# Altium PCB V2_test.PcbDoc
Units mil, origin at the board's own origin, x right, y up, seen from the top; angles counter-clockwise.
Board outline 1380 x 845 mil, 2 copper layers (Top Layer, Bottom Layer); 58 components, 65 nets, 239 pads, 75 vias.
Unrouted connection lines stored in the file: 117.
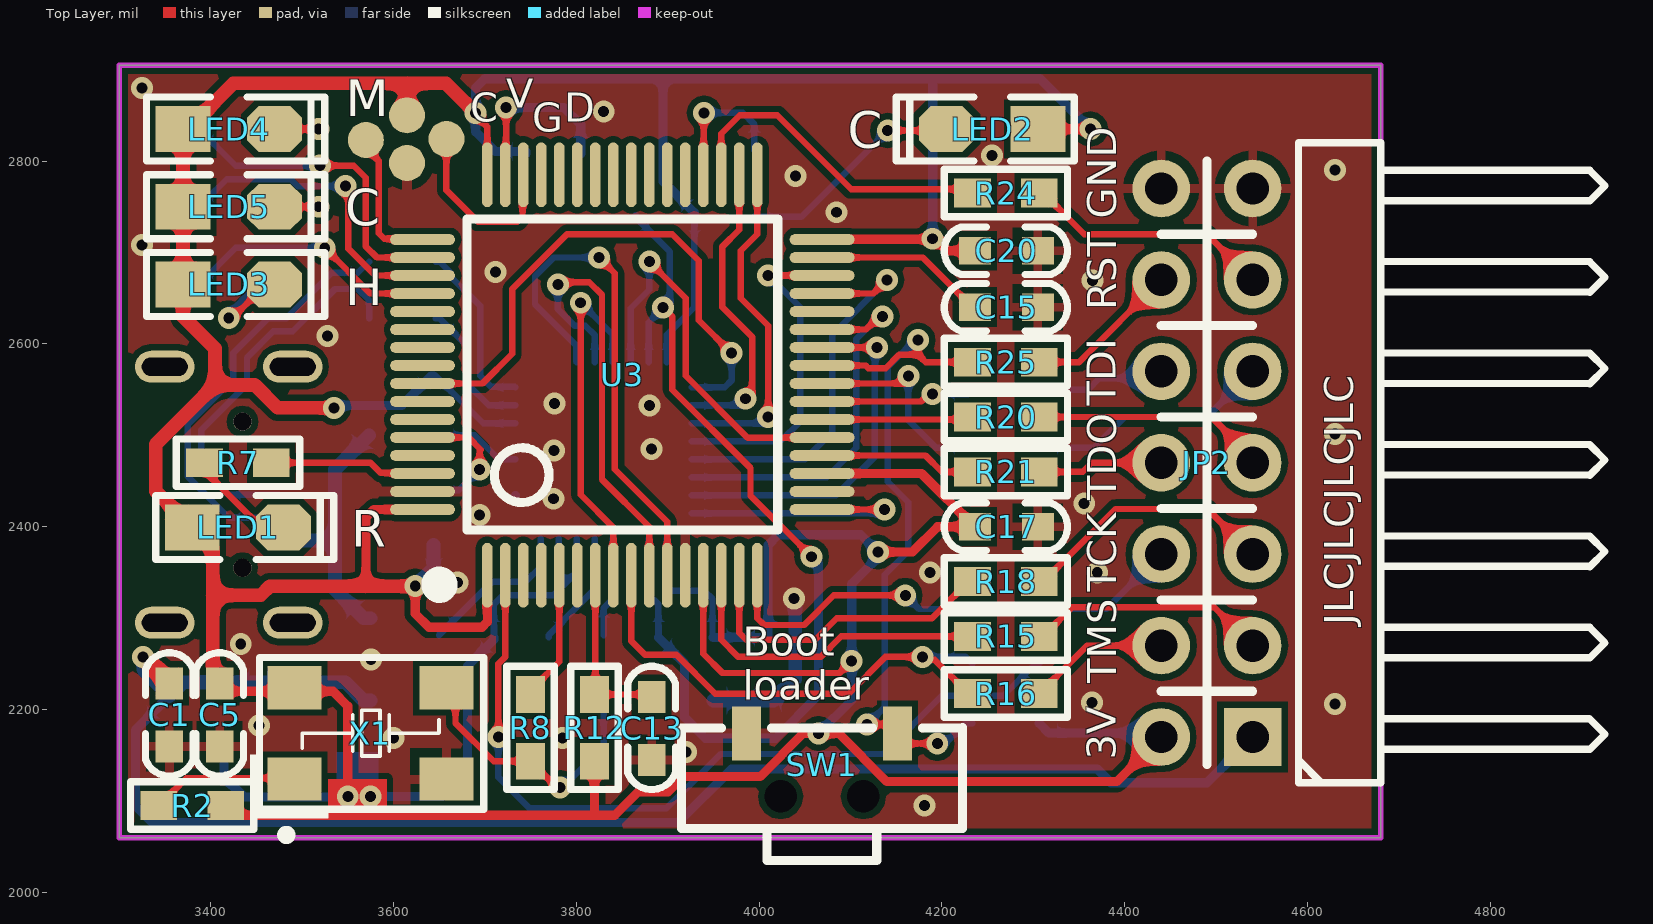
[diagram p0: Top Layer view]
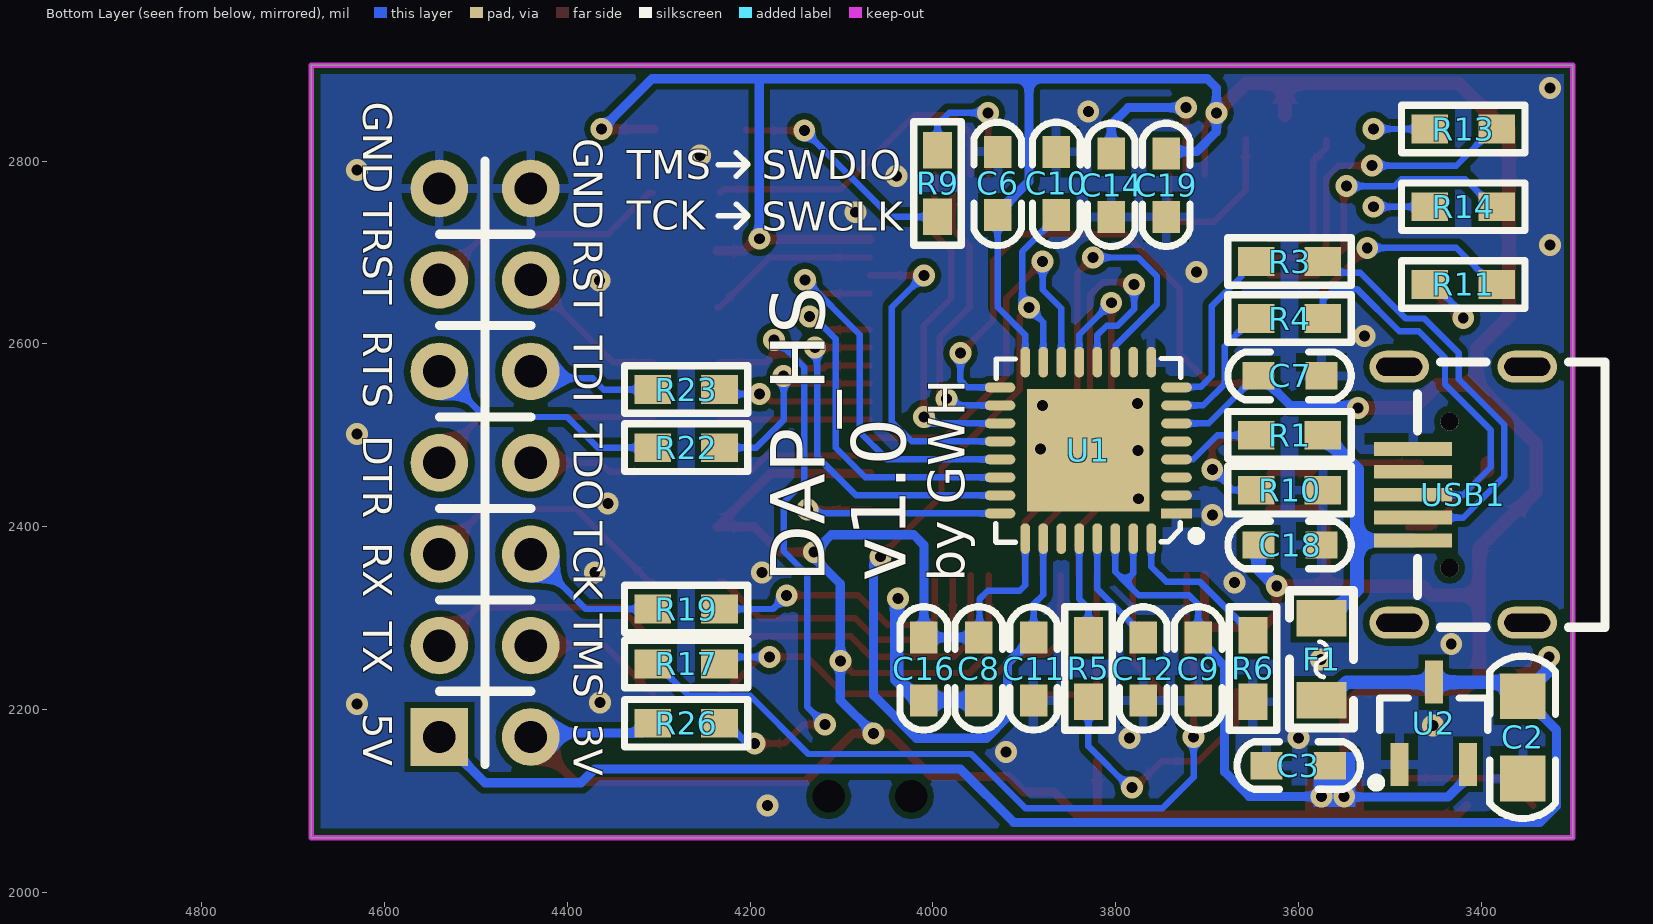
[diagram p1: Bottom Layer view, seen from below]

## Layer stack, top to bottom
Top Solder: solder mask 0.4, Solder Resist, Dk 3.5
Top Layer: signal copper 1.4
Dielectric 1: dielectric 12.6, FR-4, Dk 4.8
Bottom Layer: signal copper 1.4
Bottom Solder: solder mask 0.4, Solder Resist, Dk 3.5

## Board outline
3300,2060 4680,2060 4680,2905 3300,2905

## Design rules (kind name [scope] priority, off if disabled: settings)
Clearance [All] p1: gap=7 ignorepadtopadclearanceinfootprint=FALSE
ComponentClearance [All] p1 off: gap=10 collisioncheckmode=3 verticalgap=10 showdistances=FALSE
PolygonConnect [All] p1: thpad.connectstyle=Relief thpad.reliefconductorwidth=10 thpad.reliefentries=4 thpad.polygonreliefangle="90 Angle" thpad.airgapwidth=10 smdpad.connectstyle=Relief smdpad.reliefconductorwidth=10 smdpad.reliefentries=4 smdpad.polygonreliefangle="90 Angle" smdpad.airgapwidth=10 via.connectstyle=Direct via.reliefconductorwidth=10 via.reliefentries=4 via.polygonreliefangle="90 Angle" via.airgapwidth=10
RoutingVias [All] p1: holewidth=12 width=24 viastyle="Through Hole" minholewidth=12 minwidth=24 maxholewidth=12 maxwidth=24
SilkToSilkClearance [All] p1 off: silktosilkclearance=10
SilkToSolderMaskClearance [IsPad] p1 off: minsilkscreentomaskgap=10 clearancetoexposedcopper=TRUE
SolderMaskExpansion [All] p1: expansion=4
Width [All] p1: maxlimit=20 minlimit=7 preferedwidth=10
27 further rules are at their usual default settings.

## Components (designator, comment, footprint, x,y, rotation, side; value= is the part's Value field where it differs from the comment)
C1 "104" "C 0603" 3355,2194.78 r90 top
C2 "104" "C 0805" 3355,2169.68 r90 bottom
C3 "104" "C 0603" 3600,2138.75 r180 bottom
C5 "104" "C 0603" 3410,2194.78 r90 top
C6 "104" "C 0603" 3929.29,2775 r270 bottom
C7 "104" "C 0603" 3610,2565 r0 bottom
C8 "104" "C 0603" 3950,2245 r90 bottom
C9 "104" "C 0603" 3710,2245 r90 bottom
C10 "104" "C 0603" 3865,2775 r270 bottom
C11 "4.7uF" "C 0603" 3890,2245 r90 bottom
C12 "4.7uF" "C 0603" 3770,2245 r90 bottom
C13 "104" "C 0603" 3882.5,2180 r90 top
C14 "2.2uF" "C 0603" 3805,2774 r90 bottom
C15 "2.2uF" "C 0603" 4270,2640 r180 top
C16 "104" "C 0603" 4010,2245 r90 bottom
C17 "104" "C 0603" 4270,2400 r180 top
C18 "104" "C 0603" 3610,2380 r0 bottom
C19 "104" "C 0603" 3745,2774 r90 bottom
C20 "104" "C 0603" 4270,2701.89 r180 top
F1 "6V0.5A" "FU 0805" 3575,2255 r270 bottom
JP2 "Header 2X7" HDR-7X2_H 4540,2170 r90 top
LED1 "RED" "LED 0805B" 3430,2399.17 r0 top
LED2 "RED" "LED 0805B" 4255,2835 r180 top
LED3 "RED" "LED 0805B" 3420,2665 r0 top
LED4 "RED" "LED 0805B" 3420,2835 r0 top
LED5 "RED" "LED 0805B" 3420,2750 r0 top
R1 "820R" "R 0603" 3610,2500 r180 bottom
R2 "4.7K" "R 0603" 3380,2095 r180 top
R3 "22R" "R 0603" 3610,2690 r180 bottom
R4 "22R" "R 0603" 3610,2627.72 r180 bottom
R5 "33R" "R 0603" 3830,2245 r90 bottom
R6 "12K" "R 0603" 3650,2245 r90 bottom
R7 "510R" "R 0603" 3430,2470 r180 top
R8 "33R" "R 0603" 3750,2180 r90 top
R9 "510R" "R 0603" 3995,2775.5 r270 bottom
R10 "0R" "R 0603" 3610,2440 r0 bottom
R11 "510R" "R 0603" 3420,2665 r0 bottom
R12 "10K" "R 0603" 3820,2180 r90 top
R13 "510R" "R 0603" 3420,2835 r0 bottom
R14 "510R" "R 0603" 3420,2750 r0 bottom
R15 "100R" "R 0603" 4270,2280 r0 top
R16 "100R" "R 0603" 4270,2217.44 r180 top
R17 "100R" "R 0603" 4270,2250 r0 bottom
R18 "100R" "R 0603" 4270,2340 r0 top
R19 "100R" "R 0603" 4270,2310 r180 bottom
R20 "100R" "R 0603" 4270,2520 r0 top
R21 "100R" "R 0603" 4270,2460 r180 top
R22 "100R" "R 0603" 4270,2486.48 r0 bottom
R23 "100R" "R 0603" 4270,2550 r180 bottom
R24 "100R" "R 0603" 4270,2765 r0 top
R25 "100R" "R 0603" 4270,2580 r180 top
R26 "10K" "R 0603" 4270,2185 r0 bottom
SW1 "3x6x5" "TSW 3*6*4.3-S-W" 4068.86,2105 r0 top
U1 "USB3300" "QFN32 5x5_N" 3830.16,2483.5 r90 bottom
U2 "XC6206P182MR" SOT23-3N 3452.25,2185 r180 bottom
U3 "STM32F205RG" "LQFP64 10X10_N" 3850.47,2566.5 r0 top
USB1 "USB-5P" "micro usb" 3350,2295 r90 bottom
X1 "24MHz" XTAL-5032 3575,2173.9 r0 top

## Footprints (in the part's own frame and the unit in brackets; to place one, negate y for a bottom-side part, rotate by r counter-clockwise, add the part's x,y. Pads: shape width x height; smd on the part's side, far side on the other; paste and mask are expansions set on the pad)
"C 0603" [mil] "无极性贴片电容"
  rect 35x30 smd: 1(-35,0) 2(34,0)
  silkscreen extent -67,-26 67,26, body extent -31,-16 31,16, height 32
"C 0805" [mil] "无极性贴片电容"
  rect 50x50 smd: 1(-45,0) 2(45,0)
  silkscreen extent -89,-36 89,36, body extent -39,-24 39,24, height 20
"FU 0805" [mil] "贴片保险丝"
  rect 40x55 smd: 1(-45,0) 2(45,0)
  silkscreen extent -75,-35 75,35, body extent -39,-24 39,24, height 20
HDR-7X2_H [mm] "双排弯脚排针，7x2脚"
  rect 1.6x1.6 hole 0.9: 1(0,0)
  round 1.6 hole 0.9: 2(0,2.54) 3(2.54,0) 4(2.54,2.54) 5(5.08,0) 6(5.08,2.54) 7(7.62,0) 8(7.62,2.54) 9(10.16,0) 10(10.16,2.54) 11(12.7,0) 12(12.7,2.54) 13(15.24,0) 14(15.24,2.54)
  silkscreen extent -1.27,-9.79 16.51,2.54, body extent -1.27,-9.96 16.51,2.89, height 5.1
"LED 0805B" [mil] "蓝色0805LED"
  rect 60x50 smd: 1(-50,0)
  oct 60x50 smd: 2(50,0)
  silkscreen extent -90,-35 105,35, body extent -39,-25 39,25, height 32
"LQFP64 10X10_N" [mm] "64脚，体宽10x10mm，脚距0.5mm"
  oval 0.3x1.8 smd: 1(-3.75,-5.575) 2(-3.25,-5.575) 3(-2.75,-5.575) 4(-2.25,-5.575) 5(-1.75,-5.575) 6(-1.25,-5.575) 7(-0.75,-5.575) 8(-0.25,-5.575) 9(0.25,-5.575) 10(0.75,-5.575) 11(1.25,-5.575) 12(1.75,-5.575) 13(2.25,-5.575) 14(2.75,-5.575) 15(3.25,-5.575) 16(3.75,-5.575) 33(3.75,5.55) 34(3.25,5.55) 35(2.75,5.55) 36(2.25,5.55) 37(1.75,5.55) 38(1.25,5.55) 39(0.75,5.55) 40(0.25,5.55) 41(-0.25,5.55) 42(-0.75,5.55) 43(-1.25,5.55) 44(-1.75,5.55) 45(-2.25,5.55) 46(-2.75,5.55) 47(-3.25,5.55) 48(-3.75,5.55)
  oval 1.8x0.3 smd: 17(5.55,-3.75) 18(5.55,-3.25) 19(5.55,-2.75) 20(5.55,-2.25) 21(5.55,-1.75) 22(5.55,-1.25) 23(5.55,-0.75) 24(5.55,-0.25) 25(5.55,0.25) 26(5.55,0.75) 27(5.55,1.25) 28(5.55,1.75) 29(5.55,2.25) 30(5.55,2.75) 31(5.55,3.25) 32(5.55,3.75) 49(-5.55,3.75) 50(-5.55,3.25) 51(-5.55,2.75) 52(-5.55,2.25) 53(-5.55,1.75) 54(-5.55,1.25) 55(-5.55,0.75) 56(-5.55,0.25) 57(-5.55,-0.25) 58(-5.55,-0.75) 59(-5.55,-1.25) 60(-5.55,-1.75) 61(-5.55,-2.25) 62(-5.55,-2.75) 63(-5.55,-3.25) 64(-5.55,-3.75)
  silkscreen extent -5.33,-6.09 4.32,4.32, body extent -6,-6 6,6, height 1.45
"micro usb" [mil]
  rect 15x85 smd: 1(90,125) 2(115,125) 3(140,125) 4(165,125) 5(190,125)
  oval 35x65 hole 20 slot 50 at 90 deg: ""(0,0) ""(0,140) ""(280,0) ""(280,140)
  round 20 hole 20: ""(60,85) ""(220,85)
  silkscreen extent -5,-85 285,120, body extent -16,-110 296,117, height 107
"QFN32 5x5_N" [mm] "32脚，长：5mm，宽：5mm，高：9.5mm"
  rect 0.275x0.85 smd: 1(-1.751,-2.451)
  oval 0.275x0.85 smd: 2(-1.25,-2.451) 3(-0.75,-2.451) 4(-0.25,-2.451) 5(0.25,-2.451) 6(0.75,-2.451) 7(1.25,-2.451) 8(1.75,-2.451) 17(1.75,2.451) 18(1.25,2.451) 19(0.75,2.451) 20(0.25,2.451) 21(-0.25,2.451) 22(-0.75,2.451) 23(-1.25,2.451) 24(-1.75,2.451)
  oval 0.85x0.275 smd: 9(2.451,-1.75) 10(2.451,-1.25) 11(2.451,-0.75) 12(2.451,-0.25) 13(2.451,0.25) 14(2.451,0.75) 15(2.451,1.25) 16(2.451,1.75) 25(-2.451,1.75) 26(-2.451,1.25) 27(-2.451,0.75) 28(-2.451,0.25) 29(-2.451,-0.25) 30(-2.451,-0.75) 31(-2.451,-1.25) 32(-2.451,-1.75)
  rect 3.4x3.4 smd: 33(0,0)
  silkscreen extent -2.55,-3.12 2.55,2.57, body extent -2.5,-2.5 2.5,2.5, height 0.93
"R 0603" [mil] "1/10W贴片电阻"
  rect 40x31.5 smd: 1(-36.5,0) 2(36.5,0)
  silkscreen extent -68,-26 68,26, body extent -31,-16 31,16, height 16
SOT23-3N [mm] "3x1.3x1mm(长宽高)"
  rect 0.5x1.2 smd: 1(-0.95,-1.143) 2(0.95,-1.143) 3(0,1.143)
  silkscreen extent -1.73,-1.78 1.5,0.7, body extent -1.5,-1.2 1.5,1.2, height 1.05
"TSW 3*6*4.3-S-W" [mm] "侧立贴片3*6*4.3"
  round 0 hole 0.9: 0(-1.15,0) 0(1.15,0)
  rect 0.8x1.5 smd: 1(2.1,1.75) 2(-2.1,1.75)
  silkscreen extent -3.9,-1.78 3.9,1.91, body extent -3.9,-1.79 3.9,1.91, height 3.51
XTAL-5032 [mm]
  rect 1.5x1.2 smd: 1(-2.108,-1.27) 2(2.108,-1.27) 3(2.108,1.27) 4(-2.108,1.27)
  silkscreen extent -3.35,-2.95 3.15,2.11, body extent -2.5,-1.6 2.5,1.6, height 1

## Part data
C1 C2 C3 C5 C6 C7 C8 C9 C10 C11 C12 C13 C14 C15 C16 C17 C18 C19 C20: library part C, "无极性贴片电容", BOM名称=无极性, 学习资源=www.ooocke.
F1: library part FU, "贴片保险丝", BOM名称=贴片, 学习资源=www.ooocke.
JP2: library part "Header 7X2", "7*2P接插件", BOM名称=7*2P接, 学习资源=www.ooocke.
LED1 LED2 LED3 LED4 LED5: library part LED-SMD, "贴片LED", BOM名称=贴片, 学习资源=www.ooocke.
R1 R2 R3 R4 R5 R6 R7 R8 R9 R10 R11 R12 R13 R14 R15 R16 R17 R18 R19 R20 R21 R22 R23 R24 R25 R26: library part R, "贴片电阻", BOM名称=ÌùÆ, 学习资源=www.ooocke.
SW1: library part "TSW 3x6", "3x6轻触开关", BOM名称=3x6Çá´, 学习资源=www.ooocke.
U1: "USB PHY"
U2: "三端稳压芯片"
U3: "32位STM单片机", BOM名称=32Î»STMµ, 学习资源=www.ooocke.
USB1: "微型USB母座", BOM名称=微型US, 学习资源=www.ooocke.
X1: library part XTAL-4, "4脚晶振", BOM名称=4脚, 学习资源=www.ooocke.

## Free pads (board coordinates)
  round 39.37 smd: 2(3570,2823) 2(3615,2797.83) 2(3615,2850) 2(3658.11,2824.11)

## Via types
v1: diameter 24, hole 12, Top Layer to Bottom Layer, tented both sides, 75 vias

## Nets (pads, with @x,y where several pads share a name; then routed paths per layer and width w, separated by ;. In a path a pad name is that pad's centre, name@x,y a point inside that pad or via, vN(x,y) a via of type N, cw(c..) or ccw(c..) an arc to the next point about the centre after c; other vN are vias at no path point)
3V3: C3.2 C5.2 C6.2 C7.2 C8.2 C9.2 C16.2 C17.2 C18.2 C19.2 C20.2 JP2.2 LED1.1 LED2.1 LED3.1 LED4.1 LED5.1 pad.2@3615,2850 R2.1 R12.1 R26.2 U1.6 U1.16 U1.25 U1.30 U1.31 U2.2 U3.1 U3.13 U3.19 U3.32 U3.48 U3.64 X1.4 | length 7194.8
  Top Layer w7: v1(3690,2852.7) 3690,2850.4 3702.83,2837.57 U3.48 ; U3.13 3939.06,2260.94 3960,2240 4088.13,2240 v1(4101.4,2253.28)
  Top Layer w10: C5.2 3418.78,2220 3534,2220 3550.19,2203.81 v1(3550.19,2105) 3550.75,2104.44 3550.75,2084.38 ; R2.1 3427.12,2084.38 3550.75,2084.38 ; 3570,2335 3570,2410 3578.86,2418.86 U3.64 ; v1(3624,2335) 3624,2305 3639,2290 3696.98,2290 3702.83,2295.86 U3.1 ; R12.1 3820,2084.38 ; U3.19 4177.77,2458.23 C17.2 4195.4,2400 4167.73,2372.33 v1(4130,2372.33) ; U3.32 4069.32,2714.48 4189.48,2714.48 v1(4190,2715) 4193.79,2715 4206.9,2701.89 C20.2 ; LED2.1 v1(4362.43,2835) ; JP2.2 4391.25,2121.25 4139.91,2121.25 4087.26,2173.9 v1(4065,2173.9) 4048.43,2173.9 4001.16,2126.63 3917.25,2126.63 3900.62,2110 3867.87,2110 3842.25,2084.38 3820,2084.38 ; 3550.75,2084.38 3820,2084.38
  Top Layer w15: C5.2 3402.5,2236.28 3402.5,2325 ; v1(3535,2530) 3473.58,2530 3448.58,2555 3405,2555 ; pad.2@3615,2850 3615,2885 ; v1(3624,2335) 3570,2335 3465,2335 3455,2325 3402.5,2325 ; v1(3690,2852.7) 3657.7,2885 3615,2885 ; 3402.5,2325 3402.5,2376.67 LED1.1 3340,2439.17 3340,2490 3405,2555 ; 3405,2555 3405,2595 3370,2630 LED3.1 LED5.1 LED4.1 3375,2835 3425,2885 3615,2885
  Bottom Layer w7: C7.2 3646.5,2565 3698.47,2513.03 U1.6 ; C9.2 3710,2315 3720,2325 3775,2325 3790,2340 ; U1.31 3780.93,2349.07 3790,2340 ; U1.30 3800.62,2350.62 3790,2340 ; U1.25 3899.07,2335.93 3905,2330 3940,2330 3949.1,2320.9 3949.1,2279.9 C8.2 ; U1.16 3899.07,2609.78 3929.29,2640 C6.2
  Bottom Layer w10: U2.2 3414.85,2126.22 3436.69,2104.38 3549.57,2104.38 v1(3550.19,2105) ; v1@3540.76,2532.72 3609.22,2532.72 3641.5,2565 C7.2 ; C3.2 3553.5,2126.25 3553.5,2112.1 3550.19,2108.79 v1(3550.19,2105) ; C9.2 3710,2276.5 3681,2247.5 3681,2131.78 3654.22,2105 v1(3550.19,2105) ; C19.2 3745,2810.5 3711.5,2810.5 3690,2832 v1(3690,2852.7) 3690,2880 3700,2890 3895,2890 ; C6.2 3929.29,2743.5 3895,2777.79 3895,2890 ; C8.2 C16.2 4010,2380 4021.17,2391.17 4111.16,2391.17 v1(4130,2372.33) 4130,2370.24 4132,2368.24 4101.4,2337.64 v1(4101.4,2253.28) 4101.4,2210.3 v1(4065,2173.9) ; v1(4190,2715) 4190,2888.37 ; R26.2 4317.25,2174.25 4435.75,2174.25 JP2.2 ; v1(4362.43,2835) 4307.43,2890 3895,2890
  Bottom Layer w15: v1(3624,2335) 3644,2355 C18.2
  other v1: 3575,2105
5V: C1.2 C2.2 F1.2 JP2.1 U2.3 | length 1745.9
  Top Layer w20: v1(3326.26,2257.52) C1.2
  Bottom Layer w10: C2.2 3318,2177.68 3318,2094.71 3336.07,2076.64 3911.64,2076.64 3970,2135 4370,2135 4385,2120 4490,2120 JP2.1
  Bottom Layer w15: v1@3327.02,2256.75 3327.02,2242.66 C2.2 3370.32,2230 U2.3 3547.5,2230 3567.5,2210 F1.2
  Bottom Layer w20: v1(3326.26,2257.52) v1@3327.02,2256.75
5V_USB: F1.1 R1.2 USB1.1 | length 297.1
  Bottom Layer w15: USB1.1 3536.28,2385 ; R1.2 3536.28,2462.78 3536.28,2385 ; F1.1 3567.5,2300 3536.28,2331.22 3536.28,2385
CDC: R14.1 U3.51 | length 342.6
  Top Layer w7: v1(3547.5,2772.5) 3550.75,2769.25 3550.75,2704.25 3580.24,2674.76 U3.51
  Bottom Layer w7: R14.1 3387.75,2750 3417.75,2780 3487.79,2780 3495.29,2772.5 v1(3547.5,2772.5)
CLK_24M: R5.1 R8.1 X1.3 | length 293.3
  Top Layer w7: X1.3@3668,2220 3668,2185.18 3709.68,2143.5 R8.1 3778.86,2114.64 v1(3782.5,2114.64)
  Bottom Layer w7: v1(3782.5,2114.64) 3784.64,2114.64 3830,2160 R5.1
CONNECT: R9.1 U3.36 | length 156.4
  Top Layer w7: U3.36 3939.53,2785.47 3939.53,2852.23 v1(3940,2852.7)
  Bottom Layer w7: v1(3940,2852.7) 3982.3,2852.7 3995,2840 R9.1
DAPLINK_DTR: R20.1 U3.22 | length 165.6
  Top Layer w7: U3.22 4230.78,2517.28 R20.1
DAPLINK_RTS: R22.1 U3.24 | length 228.8
  Top Layer w7: U3.24 4154.96,2556.65 v1(4163.31,2565)
  Bottom Layer w7: v1(4163.31,2565) 4163.31,2516.69 4193.52,2486.48 R22.1
DAPLINK_RX: R18.1 U3.15 | length 347.4
  Top Layer w7: U3.15 3978.43,2284.07 3986,2276.5 4061.5,2276.5 4085,2300 4189.25,2300 4229.25,2340 R18.1
DAPLINK_TX: R15.1 U3.14 | length 362.6
  Top Layer w7: U3.14 3958.74,2276.26 3977.43,2257.57 4067.57,2257.57 4090.07,2280.07 4233.43,2280.07 R15.1
GND: C1.1 C2.1 C3.1 C5.1 C6.1 C7.1 C8.1 C9.1 C10.1 C11.1 C12.1 C13.1 C14.1 C15.1 C16.1 C17.1 C18.1 C19.1 C20.1 JP2.13 JP2.14 pad.2@3615,2797.83 R6.1 R10.1 SW1.2 U1.1 U1.2 U1.9 U1.33 U2.1 U3.12 U3.18 U3.63 USB1.5 X1.2 | length 187.9
  Bottom Layer w10: U1.2@3733.5,2434.12 U1.2
  Bottom Layer w15: C8.1 C16.1 4016.19,2210 4039.5,2233.31 4039.5,2320.02 v1(4038.21,2321.3)
  other v1: 4181.2,2095 3920,2153.8 3600,2168.7 3785,2168.7 3452.86,2182.5 4630,2206.23 4364.06,2207.76 3575.67,2255 3433.12,2271.92 3670,2338.99 4187.08,2349.78 4370,2350 3694.53,2412.89 4355.75,2425.42 3775,2430.61 3775.68,2483.22 3882.5,2485 4630,2501.58 3880,2532.49 3776.54,2535 3528.08,2608.83 4365,2669.26 3711.81,2678.74 3325,2708.24 4085,2744 4040,2783.5 4630,2790 4255,2806.25 3830.16,2854.03 3325,2880
HID: R11.1 U3.52 | length 285.7
  Top Layer w7: v1(3525,2705) 3574.92,2655.08 U3.52
  Bottom Layer w7: R11.1 3387.75,2665 3427.75,2705 v1(3525,2705)
MSC: R13.1 U3.50 | length 350.8
  Top Layer w7: v1(3520,2795) 3556.82,2795 3570,2781.82 3570,2706.57 3582.13,2694.45 U3.50
  Bottom Layer w7: R13.1 3387.75,2835 3427.75,2795 v1(3520,2795)
NetC10_2: C10.2 C11.2 U1.15 U1.26 | length 1068
  Top Layer w7: v1(3895,2640) 3905,2630 3905,2550 3990.71,2464.29 3990.71,2434.05 v1(4057.59,2367.17)
  Bottom Layer w7: C10.2 3865,2738.5 3902.5,2701 3902.5,2647.5 v1(3895,2640) 3895,2639.42 3879.38,2623.8 U1.15 ; U1.26 3879.38,2325.62 3890,2315 C11.2
  Bottom Layer w10: C11.2 3918.58,2250.42 3918.58,2191.42 3941.3,2168.7 4018.17,2168.7 4065,2215.53 4065,2359.76 v1(4057.59,2367.17)
NetC12_2: C12.2 U1.29 | length 128.8
  Bottom Layer w7: C12.2 3770,2281.5 3820.31,2331.81 U1.29
NetC13_2: C13.2 R12.2 U3.7 | length 194.4
  Top Layer w7: U3.7 3820.94,2217.44 R12.2 3880,2216.5 C13.2
NetC14_2: C14.2 U3.47 | length 197.2
  Top Layer w7: U3.47 3723.44,2785.92 v1(3723.44,2858.44) v1@3725,2860
  Bottom Layer w10: v1(3723.44,2858.44) 3786.56,2858.44 3805,2840 C14.2
NetC15_2: C15.2 U3.31 | length 189.6
  Top Layer w7: U3.31 4179.05,2694.45 4233.5,2640 C15.2
NetJP2_3: JP2.3 R15.2 | length 264.1
  Top Layer w7: R15.2 4310.75,2280 4342.75,2312 4498,2312 JP2.3
NetJP2_4: JP2.4 R16.1 | length 155.3
  Top Layer w7: R16.1 4359.06,2270 JP2.4
NetJP2_5: JP2.5 R18.2 | length 286.9
  Top Layer w7: R18.2 4310.75,2340 4390.18,2419.43 4490.57,2419.43 JP2.5
NetJP2_6: JP2.6 R19.1 | length 158.4
  Bottom Layer w7: R19.1 4380,2310 JP2.6
NetJP2_7: JP2.7 R20.2 | length 257.1
  Top Layer w7: R20.2 4495,2520 4540,2475 JP2.7
NetJP2_8: JP2.8 R21.1 | length 137.6
  Top Layer w7: R21.1 4354.06,2460 4364.06,2470 JP2.8
NetJP2_9: JP2.9 R22.2 | length 268.1
  Bottom Layer w7: R22.2 4366.48,2486.48 4400,2520 4490,2520 JP2.9
NetJP2_10: JP2.10 R23.1 | length 141.8
  Bottom Layer w7: R23.1 4360,2550 4372.25,2562.25 4432.25,2562.25 JP2.10
NetJP2_11: JP2.11 R24.2 | length 272.9
  Top Layer w7: R24.2 4310.75,2765 4355.75,2720 4490,2720 JP2.11
NetJP2_12: JP2.12 R25.1 | length 170.8
  Top Layer w7: R25.1 4350,2580 JP2.12
NetLED1_2: LED1.2 R7.2 | length 120.9
  Top Layer w7: R7.2@3393.5,2461.34 3455.67,2399.17 LED1.2
  Top Layer w15: R7.2@3393.5,2461.34 R7.2
NetLED2_2: LED2.2 R9.2 | length 249.8
  Top Layer w7: v1(4140.81,2833.37) 4203.37,2833.37 LED2.2
  Bottom Layer w7: R9.2 4046.43,2739 v1(4140.81,2833.37)
NetLED3_2: LED3.2 R11.2 | length 119.2
  Top Layer w7: v1(3420,2628.5) 3424.25,2628.5 3460.75,2665 LED3.2
  Bottom Layer w7: v1(3420,2628.5) 3420,2632.75 3452.25,2665 R11.2
NetLED4_2: LED4.2 R13.2 | length 110.2
  Top Layer w7: LED4.2 v1(3518.37,2835)
  Bottom Layer w7: R13.2 v1(3518.37,2835)
NetLED5_2: LED5.2 R14.2 | length 110.2
  Top Layer w7: LED5.2 v1(3518.37,2750)
  Bottom Layer w7: R14.2 v1(3518.37,2750)
NetR1_1: R1.1 U1.4 | length 98.1
  Bottom Layer w7: R1.1 3689.12,2500 3715.47,2473.66 U1.4
NetR2_2: R2.2 X1.1 | length 165
  Top Layer w7: R2.2 3373.5,2125 3489,2125 X1.1@3494,2120
NetR3_1: R3.1 U1.8 | length 191.4
  Bottom Layer w7: R3.1 3650.75,2690 3663,2677.75 3663,2673.5 3695,2641.5 3695,2565 3706.85,2553.15 3732.92,2553.15 U1.8
NetR3_2: R3.2 USB1.2 | length 464.3
  Bottom Layer w7: USB1.2 3420,2410 3375,2455 3375,2511.38 3425,2561.38 3425,2590 3462.72,2627.72 3482.72,2627.72 3532.75,2677.75 3561.25,2677.75 R3.2
NetR4_1: R4.1 U1.7 | length 150.7
  Bottom Layer w7: R4.1 3650.75,2627.72 3681,2597.48 3681,2556.1 3704.37,2532.72 U1.7
NetR4_2: R4.2 USB1.3 | length 427.8
  Bottom Layer w7: USB1.3 3420,2435 3390,2465 3390,2505.86 3440,2555.86 3440,2585 3468.72,2613.72 3490,2613.72 3536.28,2660 3561.25,2660 3573.5,2647.75 R4.2
NetR5_2: R5.2 U1.28 | length 109.6
  Bottom Layer w7: R5.2 3830,2310.9 3840,2320.9 U1.28
NetR6_2: R6.2 U1.32 | length 173
  Bottom Layer w7: R6.2 3708.5,2340 3745,2340 3761.24,2356.24 U1.32
NetR8_2: R8.2 U3.5 | length 143.6
  Top Layer w7: R8.2 3750,2220.75 3781.57,2252.33 U3.5
NetR10_2: R10.2 U3.60 | length 148.7
  Top Layer w7: U3.60 3682.4,2497.6 3695.65,2484.35 3694.53,2483.22 v1(3694.53,2462.78)
  Bottom Layer w7: R10.2 3671.75,2440 v1(3694.53,2462.78)
nRST: R25.2 R26.1 SW1.1 U3.25 | length 788.4
  Top Layer w7: U3.25 4116.84,2576.34 4119.66,2573.52 4138.52,2573.52 4153.23,2588.23 4174.14,2588.23 ; v1(4118.3,2183.7) 4141.73,2183.7 SW1.1 4162.56,2162.87 v1(4195,2162.87) ; v1(4174.14,2604.14) 4174.14,2588.23 ; R25.2 4182.37,2580 4174.14,2588.23
  Bottom Layer w7: v1(4118.3,2183.7) 4137.5,2202.9 4137.5,2347.5 4163.31,2373.31 4163.31,2426.69 4140.81,2449.19 4140.81,2574.32 4170.63,2604.14 v1(4174.14,2604.14) ; v1(4195,2162.87) 4203.35,2162.87 4225.47,2185 R26.1
RUNNIING: R7.1 U3.62 | length 170.3
  Top Layer w7: R7.1 3575,2470 3586.04,2458.96 3631.23,2458.96 U3.62
SWCLK: pad.2@3570,2823 U3.49 | length 158.6
  Top Layer w7: pad.2@3570,2823 3570,2814.24 3584,2800.24 3584,2721 3589.95,2715.05 3631.05,2715.05 U3.49
SWDIO: pad.2@3658.11,2824.11 U3.46 | length 201.6
  Top Layer w7: pad.2@3658.11,2824.11 3658.11,2768.23 3692.58,2733.75 3735.49,2733.75 3741.28,2739.55 3741.28,2784.08 U3.46
TCK_SWCLK: R19.2 U3.16 | length 305.2
  Top Layer w7: U3.16 3998.11,2300 4005.61,2292.5 4049.32,2292.5 4081.82,2325 v1(4160,2325)
  Bottom Layer w7: v1(4160,2325) 4175,2310 R19.2
TDI: R23.2 U3.23 | length 169.9
  Top Layer w7: U3.23 4177.37,2536.97 4185.4,2545 v1(4190,2545)
  Bottom Layer w7: v1(4190,2545) 4228.5,2545 R23.2
TDO: R21.2 U3.20 | length 171.9
  Top Layer w7: U3.20 4182.09,2477.91 4200,2460 R21.2
TMS_SWDIO: R16.2 R17.1 U3.9 | length 559.8
  Top Layer w7: U3.9 3860.32,2275 3875.32,2260 3909.68,2260 3952.24,2217.44 4098.08,2217.44 4138.2,2257.57 v1(4179.05,2257.57) 4182.3,2254.32 4192.38,2254.32 4229.25,2217.44 R16.2
  Bottom Layer w7: v1(4179.05,2257.57) 4225.93,2257.57 R17.1
TMS_SWDIO_IN: R17.2 U3.2 | length 895
  Top Layer w7: v1(3715,2170) 3715,2250 3722.52,2257.52 U3.2
  Bottom Layer w7: v1(3715,2170) 3715,2126.07 3748.93,2092.14 3898.8,2092.14 3958.05,2151.4 4136.4,2151.4 4200,2215 4267.25,2215 4302.25,2250 R17.2
TRST: R24.1 U3.35 | length 363.2
  Top Layer w7: U3.35 3958.74,2829.95 3978.79,2850 4020,2850 4100.78,2769.22 4229.28,2769.22 R24.1
USB_CLKOUT: U1.14 U3.21 | length 437
  Top Layer w7: v1(3880,2690) 3920,2650 3920,2565 3987.5,2497.5 4068.88,2497.5 U3.21
  Bottom Layer w7: U1.14 3859.69,2638.9 3880,2659.21 v1(3880,2690)
USB_DATA0: U1.24 U3.17 | length 276.4
  Top Layer w7: U3.17 v1(4137.42,2418.86)
  Bottom Layer w7: U1.24 4129.59,2414.59 4130,2415 v1@4130,2419.43
USB_DATA1: U1.23 U3.26 | length 397.9
  Top Layer w7: U3.26 v1(4128.98,2596.02)
  Bottom Layer w7: U1.23 4084.28,2434.28 4126.81,2476.81 4126.81,2593.85 v1(4128.98,2596.02)
USB_DATA2: U1.22 U3.27 | length 422.8
  Top Layer w7: U3.27 4116.84,2615.71 4131.13,2630 v1(4135,2630)
  Bottom Layer w7: U1.22 4073.97,2453.97 4106.48,2486.48 4106.48,2605.34 4131.13,2630 v1(4135,2630)
USB_DATA3: U1.21 U3.29 | length 434.4
  Top Layer w7: U3.29 4125.08,2655.08 v1(4140,2670)
  Bottom Layer w7: U1.21 4050.31,2473.66 4080,2503.34 4080,2610 v1(4140,2670)
USB_DATA4: U1.20 U3.30 | length 360.9
  Top Layer w7: v1(4010,2675) 4010.12,2674.88 4068.86,2674.88 U3.30
  Bottom Layer w7: U1.20 4023.34,2493.34 4045,2515 4045,2640 v1(4010,2675)
USB_DATA5: U1.19 U3.33 | length 371.2
  Top Layer w7: U3.33 3998.11,2720 3980,2701.89 3980,2650 4010,2620 v1(4010,2520)
  Bottom Layer w7: U1.19 4003.03,2513.03 v1(4010,2520)
USB_DATA6: U1.18 U3.34 | length 330.6
  Top Layer w7: U3.34 3978.43,2725 3960,2706.57 3960,2640 3992.5,2607.5 3992.5,2547.5 v1(3985,2540)
  Bottom Layer w7: U1.18 3977.72,2532.72 v1(3985,2540)
USB_DATA7: U1.17 U3.57 | length 615.6
  Top Layer w7: U3.57 3697.55,2556.65 3730,2589.1 3730,2660 3790,2720 3905,2720 3934,2691 3934,2626 v1(3970,2590)
  Bottom Layer w7: U1.17 3962.41,2552.41 3970,2560 v1(3970,2590)
USB_DIR: U1.12 U3.10 | length 491.7
  Top Layer w7: v1(3780,2665) 3782.5,2667.5 3814.32,2667.5 3828.25,2653.57 3828.25,2451.75 3880,2400 U3.10
  Bottom Layer w7: v1(3780,2665) 3780,2638.18 3798.18,2620 3810,2620 3820.31,2609.69 U1.12
USB_NXT: U1.11 U3.11 | length 569.7
  Top Layer w7: v1(3825,2694.45) 3842.25,2677.2 3842.25,2462.75 3899.68,2405.32 U3.11
  Bottom Layer w7: U1.11 3799.89,2580.73 3799.89,2598.49 3755,2643.38 3755,2673.96 3775.49,2694.45 v1(3825,2694.45)
USB_STP: U1.13 U3.8 | length 392.3
  Top Layer w7: v1(3805,2645) 3805,2434.8 3840.63,2399.17 U3.8
  Bottom Layer w7: v1(3805,2645) 3840,2610 U1.13
pads on no net: SW1.0 U1.3 U1.5 U1.10 U1.27 U3.3 U3.4 U3.6 U3.28 U3.37 U3.38 U3.39 U3.40 U3.41 U3.42 U3.43 U3.44 U3.45 U3.53 U3.54 U3.55 U3.56 U3.58 U3.59 U3.61 USB1. USB1.4

## Polygon pours and split planes (outlines as drawn)
GND on Bottom Layer "Bottom Layer-GND" (solid, remove dead copper, pour order 14): 3300,2905 3300,2060 4680,2060 4680,2905
GND on Top Layer "Top Layer-GND" (solid, remove dead copper, pour order 10): 3300,2905 3300,2060 4680,2060 4680,2905

## Keep-outs
Keep-Out Layer:
  the board outline again, w6

## Other copper
Top Layer:
  rectangle net 3V3: 3528.53,2079.8 3592.86,2123.9
Bottom Layer:
  rectangle net 3V3: 3537.9,2093.24 3583.66,2153.8

## Silkscreen, mask and mechanical layers (free items; w line width, h text height)
Top Overlay:
  text "V" at 3723.44,2858.44 h32
  text "M" at 3548,2849 h40
  text "C" at 3684,2843 h32
  text "D" at 3787,2843 h32
  text "G" at 3752,2832 h32
  text "C" at 4097,2814 h40
  text "GND" at 4391,2737 h32 r90
  text "C" at 3547.5,2729 h40
  text "H" at 3547.5,2642 h40
  text "RST" at 4391,2637 h32 r90
  text "TDI" at 4390.18,2532.49 h32 r90
  text "TDO" at 4391,2429 h32 r90
  text "R" at 3554,2378 h40
  text "TCK" at 4391,2329 h32 r90
  text "JLCJLCJLCJLC" at 4650,2292 h32 r90
  text "TMS" at 4391,2229 h32 r90
  text "Boot / loader" at 3982,2211 h32
  text "3V" at 4390,2145 h32 r90
Bottom Overlay:
  lines w6: 4202.5,2740.5 4215,2753 ; 4215,2727.5 4202.5,2740 4235,2740 ; 4215,2783.5 4202.5,2796 ; 4215,2809 4202.5,2796.5 4202.5,2796 ; 4235,2796 4202.5,2796
  text "GND" at 4623,2865 h32 r90
  text "GND" at 4393,2825 h32 r90
  text "SWDIO" at 4187.08,2780 h32
  text "TMS" at 4335,2780 h32
  text "TRST" at 4623,2755 h32 r90
  text "TCK" at 4335,2725 h32
  text "SWCLK" at 4187.08,2724 h32
  text "RST" at 4393,2715 h32 r90
  text "RTS" at 4623,2615 h32 r90
  text "TDI" at 4393,2608.83 h32 r90
  text "TDO" at 4393,2512.48 h32 r90
  text "DTR" at 4623,2500 h32 r90
  text "TCK" at 4393,2406 h32 r90
  text "RX" at 4623,2383 h32 r90
  text "by GWH" at 3965,2340 h40 r270
  text "v1.0" at 4030,2340 h60 r270
  text "DAP_HS" at 4118.3,2338.99 h60 r270
  text "TMS" at 4393,2305 h32 r90
  text "TX" at 4623,2296 h32 r90
  text "5V" at 4623,2196 h32 r90
  text "3V" at 4393,2185 h32 r90
Top Paste:
  lines w30: 3915,2080 3915,2090 ; 4225,2080 4225,2090
Top Solder:
  lines w30: 3915,2080 3915,2090 ; 4225,2080 4225,2090